# KiCad board Stream.kicad_pcb (continued)
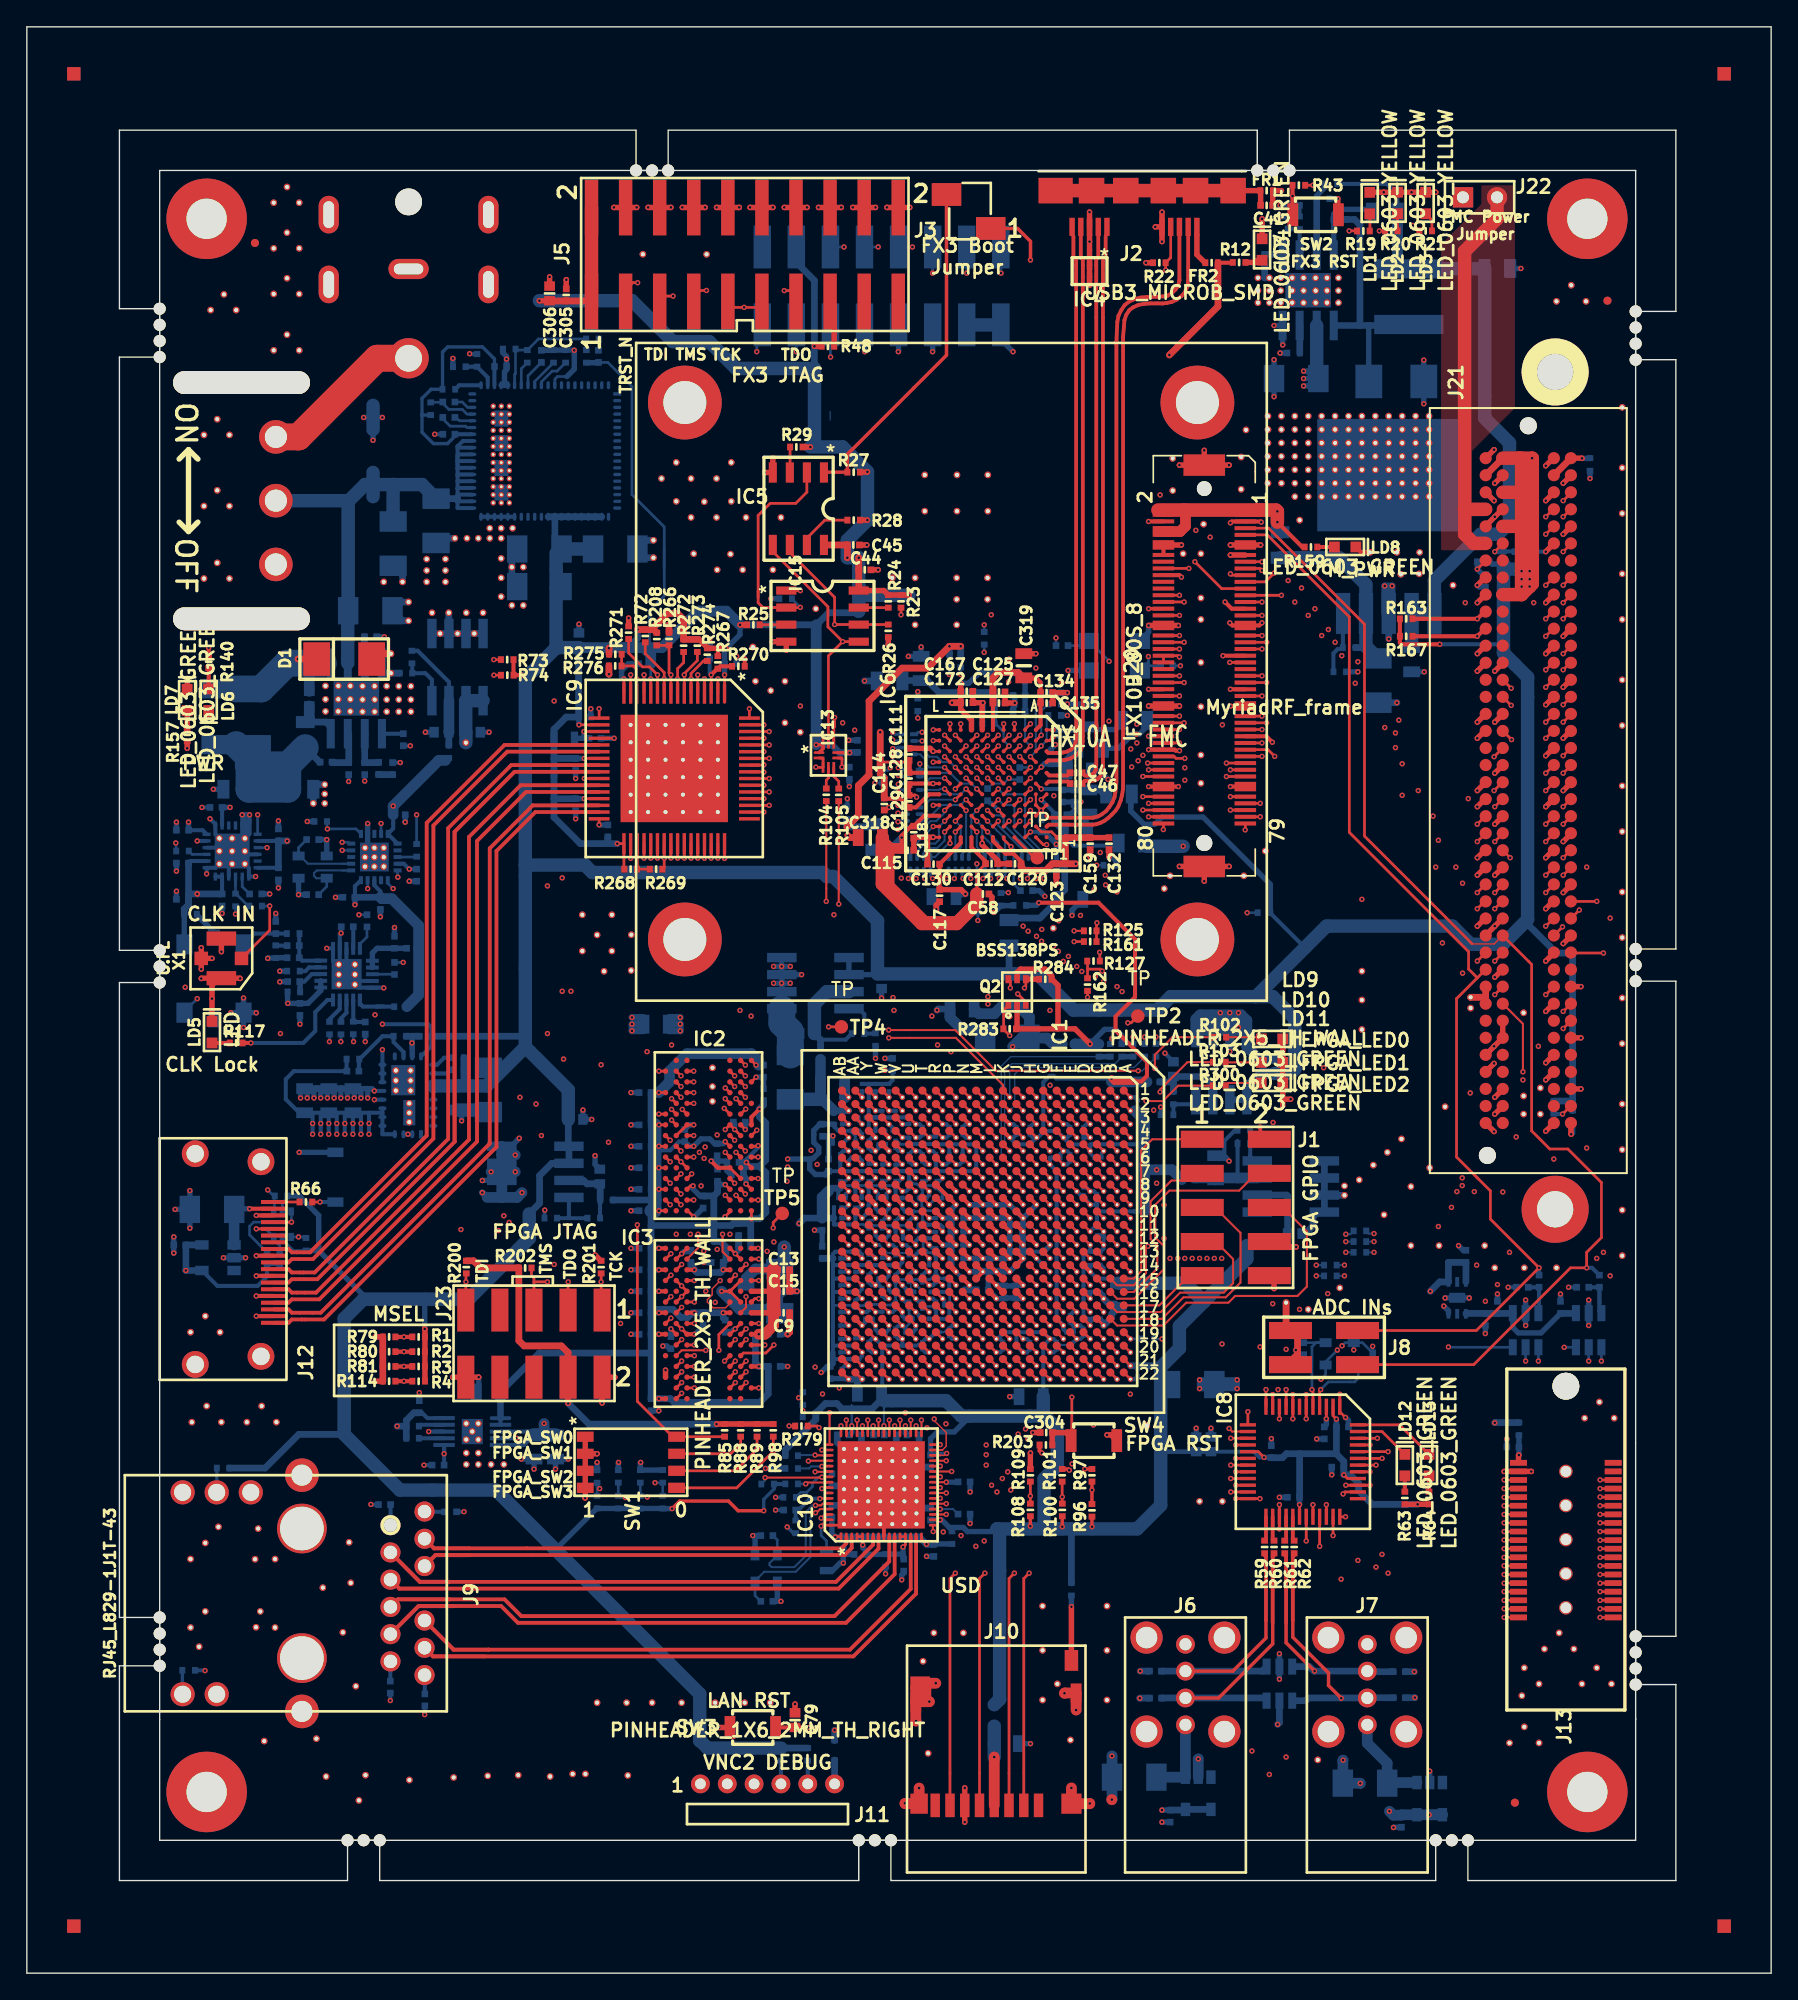
[diagram p0: board, top side]
## Footprints (pads in the part's own frame, mm; a bottom-side part is the same pattern mirrored in y, then rotated) (continued)
  round 0.4 hole 0.2: A1(-10,11) A2(-9,11) A3(-8,11) A4(-7,11) A5(-6,11) A6(-5,11) A7(-4,11) A8(-3,11) A9(-2,11) A10(-1,11) A11(0,11) A12(1,11) A13(2,11) A14(3,11) A19(8,11) A20(9,11) A21(10,11) A22(11,11) AA1(-10,-9) AA2(-9,-9) AA3(-8,-9) AA4(-7,-9) AA5(-6,-9) AA6(-5,-9) AA7(-4,-9) AA8(-3,-9) AA9(-2,-9) AA10(-1,-9) AA11(0,-9) AA12(1,-9) AA13(2,-9) AA14(3,-9) AA15(4,-9) AA16(5,-9) AA17(6,-9) AA18(7,-9) AA19(8,-9) AA20(9,-9) AA21(10,-9) AA22(11,-9) AB1(-10,-10) AB2(-9,-10) AB3(-8,-10) AB4(-7,-10) AB5(-6,-10) AB6(-5,-10) AB7(-4,-10) AB8(-3,-10) AB9(-2,-10) AB10(-1,-10) AB11(0,-10) AB12(1,-10) AB13(2,-10) AB14(3,-10) AB15(4,-10) AB16(5,-10) AB17(6,-10) AB18(7,-10) AB19(8,-10) AB20(9,-10) AB21(10,-10) AB22(11,-10) B1(-10,10) B2(-9,10) B3(-8,10) B4(-7,10) B5(-6,10) B6(-5,10) B7(-4,10) B8(-3,10) B9(-2,10) B10(-1,10) B11(0,10) B12(1,10) B13(2,10) B14(3,10) B19(8,10) B20(9,10) B21(10,10) B22(11,10) C1(-10,9) C2(-9,9) C3(-8,9) C4(-7,9) C5(-6,9) C6(-5,9) C7(-4,9) C8(-3,9) C9(-2,9) C10(-1,9) C11(0,9) C12(1,9) C13(2,9) C14(3,9) C15(4,9) C16(5,9) C17(6,9) C18(7,9) C19(8,9) C20(9,9) C21(10,9) C22(11,9) D1(-10,8) D2(-9,8) D3(-8,8) D4(-7,8) D5(-6,8) D6(-5,8) D7(-4,8) D8(-3,8) D9(-2,8) D10(-1,8) D11(0,8) D12(1,8) D13(2,8) D14(3,8) D15(4,8) D16(5,8) D17(6,8) D18(7,8) D19(8,8) D20(9,8) D21(10,8) D22(11,8) E1(-10,7) E2(-9,7) E3(-8,7) E4(-7,7) E5(-6,7) E6(-5,7) E7(-4,7) E8(-3,7) E9(-2,7) E10(-1,7) E11(0,7) E12(1,7) E13(2,7) E14(3,7) E15(4,7) E16(5,7) E17(6,7) E18(7,7) E19(8,7) E20(9,7) E21(10,7) E22(11,7) F1(-10,6) F2(-9,6) F3(-8,6) F4(-7,6) F5(-6,6) F6(-5,6) F7(-4,6) F8(-3,6) F9(-2,6) F10(-1,6) F11(0,6) F12(1,6) F13(2,6) F14(3,6) F15(4,6) F16(5,6) F17(6,6) F18(7,6) F19(8,6) F20(9,6) F21(10,6) F22(11,6) G1(-10,5) G2(-9,5) G3(-8,5) G4(-7,5) G5(-6,5) G6(-5,5) G7(-4,5) G8(-3,5) G9(-2,5) G10(-1,5) G11(0,5) G12(1,5) G13(2,5) G14(3,5) G15(4,5) G16(5,5) G17(6,5) G18(7,5) G19(8,5) G20(9,5) G21(10,5) G22(11,5) H1(-10,4) H2(-9,4) H3(-8,4) H4(-7,4) H5(-6,4) H6(-5,4) H7(-4,4) H8(-3,4) H9(-2,4) H10(-1,4) H11(0,4) H12(1,4) H13(2,4) H14(3,4) H15(4,4) H16(5,4) H17(6,4) H18(7,4) H19(8,4) H20(9,4) H21(10,4) H22(11,4) J1(-10,3) J2(-9,3) J3(-8,3) J4(-7,3) J5(-6,3) J6(-5,3) J7(-4,3) J8(-3,3) J9(-2,3) J10(-1,3) J11(0,3) J12(1,3) J13(2,3) J15(4,3) J16(5,3) J17(6,3) J18(7,3) J19(8,3) J20(9,3) J21(10,3) J22(11,3) K1(-10,2) K2(-9,2) K3(-8,2) K4(-7,2) K5(-6,2) K6(-5,2) K7(-4,2) K8(-3,2) K9(-2,2) K10(-1,2) K11(0,2) K12(1,2) K13(2,2) K14(3,2) K17(6,2) K18(7,2) K19(8,2) K20(9,2) K21(10,2) K22(11,2) L1(-10,1) L2(-9,1) L3(-8,1) L4(-7,1) L5(-6,1) L6(-5,1) L7(-4,1) L8(-3,1) L9(-2,1) L10(-1,1) L11(0,1) L12(1,1) L13(2,1) L14(3,1) L15(4,1) L16(5,1) L17(6,1) L18(7,1) L19(8,1) L20(9,1) L21(10,1) L22(11,1) M1(-10,0) M2(-9,0) M3(-8,0) M4(-7,0) M5(-6,0) M6(-5,0) M7(-4,0) M8(-3,0) M9(-2,0) M10(-1,0) M11(0,0) M12(1,0) M13(2,0) M14(3,0) M16(5,0) M17(6,0) M18(7,0) M19(8,0) M20(9,0) M21(10,0) M22(11,0) N1(-10,-1) N2(-9,-1) N3(-8,-1) N4(-7,-1) N5(-6,-1) N6(-5,-1) N7(-4,-1) N8(-3,-1) N9(-2,-1) N10(-1,-1) N11(0,-1) N12(1,-1) N13(2,-1) N14(3,-1) N15(4,-1) N16(5,-1) N17(6,-1) N18(7,-1) N19(8,-1) N20(9,-1) N21(10,-1) N22(11,-1) P1(-10,-2) P2(-9,-2) P3(-8,-2) P4(-7,-2) P5(-6,-2) P6(-5,-2) P7(-4,-2) P8(-3,-2) P9(-2,-2) P10(-1,-2) P11(0,-2) P12(1,-2) P13(2,-2) P14(3,-2) P15(4,-2) P16(5,-2) P17(6,-2) P18(7,-2) P19(8,-2) P20(9,-2) P21(10,-2) P22(11,-2) R1(-10,-3) R2(-9,-3) R3(-8,-3) R4(-7,-3) R5(-6,-3) R6(-5,-3) R7(-4,-3) R9(-2,-3) R10(-1,-3) R11(0,-3) R12(1,-3) R13(2,-3) R14(3,-3) R15(4,-3) R16(5,-3) R17(6,-3) R18(7,-3) R19(8,-3) R20(9,-3) R21(10,-3) R22(11,-3) T1(-10,-4) T2(-9,-4) T3(-8,-4) T4(-7,-4) T5(-6,-4) T6(-5,-4) T7(-4,-4) T8(-3,-4) T9(-2,-4) T10(-1,-4) T11(0,-4) T12(1,-4) T13(2,-4) T14(3,-4) T15(4,-4) T16(5,-4) T17(6,-4) T18(7,-4) T19(8,-4) T20(9,-4) T21(10,-4) T22(11,-4) U1(-10,-5) U2(-9,-5) U3(-8,-5) U4(-7,-5) U5(-6,-5) U6(-5,-5) U7(-4,-5) U8(-3,-5) U9(-2,-5) U10(-1,-5) U11(0,-5) U12(1,-5) U13(2,-5) U14(3,-5) U15(4,-5) U16(5,-5) U17(6,-5) U18(7,-5) U19(8,-5) U20(9,-5) U21(10,-5) U22(11,-5) V1(-10,-6) V2(-9,-6) V3(-8,-6) V4(-7,-6) V5(-6,-6) V6(-5,-6) V7(-4,-6) V8(-3,-6) V9(-2,-6) V10(-1,-6) V11(0,-6) V12(1,-6) V13(2,-6) V14(3,-6) V15(4,-6) V16(5,-6) V17(6,-6) V18(7,-6) V19(8,-6) V20(9,-6) V21(10,-6) V22(11,-6) W1(-10,-7) W2(-9,-7) W3(-8,-7) W4(-7,-7) W5(-6,-7) W6(-5,-7) W7(-4,-7) W8(-3,-7) W9(-2,-7) W10(-1,-7) W11(0,-7) W12(1,-7) W13(2,-7) W14(3,-7) W15(4,-7) W16(5,-7) W17(6,-7) W18(7,-7) W19(8,-7) W20(9,-7) W21(10,-7) W22(11,-7) Y1(-10,-8) Y2(-9,-8) Y3(-8,-8) Y4(-7,-8) Y5(-6,-8) Y6(-5,-8) Y7(-4,-8) Y8(-3,-8) Y9(-2,-8) Y10(-1,-8) Y11(0,-8) Y12(1,-8) Y13(2,-8) Y14(3,-8) Y15(4,-8) Y16(5,-8) Y17(6,-8) Y18(7,-8) Y19(8,-8) Y20(9,-8) Y21(10,-8) Y22(11,-8)
FBGA_121_Ball_10x10
  round 0.3 smd: A1(-4,4) A2(-3.2,4) A3(-2.4,4) A4(-1.6,4) A5(-0.8,4) A6(0,4) A7(0.8,4) A8(1.6,4) A9(2.4,4) A10(3.2,4) A11(4,4) B1(-4,3.2) B2(-3.2,3.2) B3(-2.4,3.2) B4(-1.6,3.2) B5(-0.8,3.2) B6(0,3.2) B7(0.8,3.2) B8(1.6,3.2) B9(2.4,3.2) B10(3.2,3.2) B11(4,3.2) C1(-4,2.4) C2(-3.2,2.4) C3(-2.4,2.4) C4(-1.6,2.4) C5(-0.8,2.4) C6(0,2.4) C7(0.8,2.4) C8(1.6,2.4) C9(2.4,2.4) C10(3.2,2.4) C11(4,2.4) D1(-4,1.6) D2(-3.2,1.6) D3(-2.4,1.6) D4(-1.6,1.6) D5(-0.8,1.6) D6(0,1.6) D7(0.8,1.6) D8(1.6,1.6) D9(2.4,1.6) D10(3.2,1.6) D11(4,1.6) E1(-4,0.8) E2(-3.2,0.8) E3(-2.4,0.8) E4(-1.6,0.8) E5(-0.8,0.8) E6(0,0.8) E7(0.8,0.8) E8(1.6,0.8) E9(2.4,0.8) E10(3.2,0.8) E11(4,0.8) F1(-4,0) F2(-3.2,0) F3(-2.4,0) F4(-1.6,0) F5(-0.8,0) F6(0,0) F7(0.8,0) F8(1.6,0) F9(2.4,0) F10(3.2,0) F11(4,0) G1(-4,-0.8) G2(-3.2,-0.8) G3(-2.4,-0.8) G4(-1.6,-0.8) G5(-0.8,-0.8) G6(0,-0.8) G7(0.8,-0.8) G8(1.6,-0.8) G9(2.4,-0.8) G10(3.2,-0.8) G11(4,-0.8) H1(-4,-1.6) H2(-3.2,-1.6) H3(-2.4,-1.6) H4(-1.6,-1.6) H5(-0.8,-1.6) H6(0,-1.6) H7(0.8,-1.6) H8(1.6,-1.6) H9(2.4,-1.6) H10(3.2,-1.6) H11(4,-1.6) J1(-4,-2.4) J2(-3.2,-2.4) J3(-2.4,-2.4) J4(-1.6,-2.4) J5(-0.8,-2.4) J6(0,-2.4) J7(0.8,-2.4) J8(1.6,-2.4) J9(2.4,-2.4) J10(3.2,-2.4) J11(4,-2.4) K1(-4,-3.2) K2(-3.2,-3.2) K3(-2.4,-3.2) K4(-1.6,-3.2) K5(-0.8,-3.2) K6(0,-3.2) K7(0.8,-3.2) K8(1.6,-3.2) K9(2.4,-3.2) K10(3.2,-3.2) K11(4,-3.2) L1(-4,-4) L2(-3.2,-4) L3(-2.4,-4) L4(-1.6,-4) L5(-0.8,-4) L6(0,-4) L7(0.8,-4) L8(1.6,-4) L9(2.4,-4) L10(3.2,-4) L11(4,-4)
Fiducial
  round 0.6 smd: 1(0,0)
FMC_Socket
  round 1.27 hole 1.27 unplated: (-27.18,0) (27.18,-3.05)
  round 0.9 smd: C1(24.765,-3.175) C2(23.495,-3.175) C3(22.225,-3.175) C4(20.955,-3.175) C5(19.685,-3.175) C6(18.415,-3.175) C7(17.145,-3.175) C8(15.875,-3.175) C9(14.605,-3.175) C10(13.335,-3.175) C11(12.065,-3.175) C12(10.795,-3.175) C13(9.525,-3.175) C14(8.255,-3.175) C15(6.985,-3.175) C16(5.715,-3.175) C17(4.445,-3.175) C18(3.175,-3.175) C19(1.905,-3.175) C20(0.635,-3.175) C21(-0.635,-3.175) C22(-1.905,-3.175) C23(-3.175,-3.175) C24(-4.445,-3.175) C25(-5.715,-3.175) C26(-6.985,-3.175) C27(-8.255,-3.175) C28(-9.525,-3.175) C29(-10.795,-3.175) C30(-12.065,-3.175) C31(-13.335,-3.175) C32(-14.605,-3.175) C33(-15.875,-3.175) C34(-17.145,-3.175) C35(-18.415,-3.175) C36(-19.685,-3.175) C37(-20.955,-3.175) C38(-22.225,-3.175) C39(-23.495,-3.175) C40(-24.765,-3.175) D1(24.765,-1.905) D2(23.495,-1.905) D3(22.225,-1.905) D4(20.955,-1.905) D5(19.685,-1.905) D6(18.415,-1.905) D7(17.145,-1.905) D8(15.875,-1.905) D9(14.605,-1.905) D10(13.335,-1.905) D11(12.065,-1.905) D12(10.795,-1.905) D13(9.525,-1.905) D14(8.255,-1.905) D15(6.985,-1.905) D16(5.715,-1.905) D17(4.445,-1.905) D18(3.175,-1.905) D19(1.905,-1.905) D20(0.635,-1.905) D21(-0.625,-1.905) D22(-1.905,-1.905) D23(-3.175,-1.905) D24(-4.445,-1.905) D25(-5.715,-1.905) D26(-6.985,-1.905) D27(-8.255,-1.905) D28(-9.525,-1.905) D29(-10.795,-1.905) D30(-12.065,-1.905) D31(-13.335,-1.905) D32(-14.605,-1.905) D33(-15.875,-1.905) D34(-17.145,-1.905) D35(-18.415,-1.905) D36(-19.685,-1.905) D37(-20.955,-1.905) D38(-22.225,-1.905) D39(-23.495,-1.905) D40(-24.765,-1.905) G1(24.765,1.905) G2(23.495,1.905) G3(22.225,1.905) G4(20.955,1.905) G5(19.685,1.905) G6(18.415,1.905) G7(17.145,1.905) G8(15.875,1.905) G9(14.605,1.905) G10(13.335,1.905) G11(12.065,1.905) G12(10.795,1.905) G13(9.525,1.905) G14(8.255,1.905) G15(6.985,1.905) G16(5.715,1.905) G17(4.445,1.905) G18(3.175,1.905) G19(1.905,1.905) G20(0.635,1.905) G21(-0.635,1.905) G22(-1.905,1.905) G23(-3.175,1.905) G24(-4.445,1.905) G25(-5.715,1.905) G26(-6.985,1.905) G27(-8.255,1.905) G28(-9.525,1.905) G29(-10.795,1.905) G30(-12.065,1.905) G31(-13.335,1.905) G32(-14.605,1.905) G33(-15.875,1.905) G34(-17.145,1.905) G35(-18.415,1.905) G36(-19.685,1.905) G37(-20.955,1.905) G38(-22.225,1.905) G39(-23.495,1.905) G40(-24.765,1.905) H1(24.765,3.175) H2(23.495,3.175) H3(22.225,3.175) H4(20.955,3.175) H5(19.685,3.175) H6(18.415,3.175) H7(17.145,3.175) H8(15.875,3.175) H9(14.605,3.175) H10(13.335,3.175) H11(12.065,3.175) H12(10.795,3.175) H13(9.525,3.175) H14(8.255,3.175) H15(6.985,3.175) H16(5.715,3.175) H17(4.445,3.175) H18(3.175,3.175) H19(1.905,3.175) H20(0.635,3.175) H21(-0.625,3.175) H22(-1.905,3.175) H23(-3.175,3.175) H24(-4.445,3.175) H25(-5.715,3.175) H26(-6.985,3.175) H27(-8.255,3.175) H28(-9.525,3.175) H29(-10.795,3.175) H30(-12.065,3.175) H31(-13.335,3.175) H32(-14.605,3.175) H33(-15.875,3.175) H34(-17.145,3.175) H35(-18.415,3.175) H36(-19.685,3.175) H37(-20.955,3.175) H38(-22.225,3.175) H39(-23.495,3.175) H40(-24.765,3.175)
  round 5 hole 2.7: gnd(-31.19,2) gnd(31.19,2)
FX10B_80S_8
  round 1.1 hole 1.1 unplated: (-13.2,0)
  round 1.2 hole 1.2 unplated: (13.2,0)
  rect 0.3x1.6 smd: 1(-11.75,3.061) 2(-11.755,-3.04) 3(-11.25,3.061) 4(-11.255,-3.04) 5(-10.749,3.061) 6(-10.754,-3.04) 7(-10.249,3.061) 8(-10.254,-3.04) 9(-9.751,3.061) 10(-9.756,-3.04) 11(-8.25,3.061) 12(-8.255,-3.04) 13(-7.75,3.061) 14(-7.755,-3.04) 15(-7.249,3.061) 16(-7.254,-3.04) 17(-6.749,3.061) 18(-6.754,-3.04) 19(-6.251,3.061) 20(-6.256,-3.04) 21(-5.751,3.061) 22(-5.756,-3.04) 23(-5.25,3.061) 24(-5.255,-3.04) 25(-4.75,3.061) 26(-4.755,-3.04) 27(-4.249,3.061) 28(-4.255,-3.04) 29(-3.749,3.061) 30(-3.754,-3.04) 31(-2.25,3.061) 32(-2.253,-3.04) 33(-1.75,3.061) 34(-1.753,-3.04) 35(-1.25,3.061) 36(-1.252,-3.04) 37(-0.749,3.061) 38(-0.752,-3.04) 39(-0.249,3.061) 40(-0.254,-3.04) 41(0.249,3.061) 42(0.246,-3.04) 43(0.749,3.061) 44(0.747,-3.04) 45(1.25,3.061) 46(1.247,-3.04) 47(1.75,3.061) 48(1.748,-3.04) 49(2.25,3.061) 50(2.248,-3.04) 51(3.749,3.061) 52(3.749,-3.04) 53(4.249,3.061) 54(4.249,-3.04) 55(4.75,3.061) 56(4.75,-3.04) 57(5.25,3.061) 58(5.25,-3.04) 59(5.751,3.061) 60(5.748,-3.04) 61(6.251,3.061) 62(6.248,-3.04) 63(6.749,3.061) 64(6.749,-3.04) 65(7.249,3.061) 66(7.249,-3.04) 67(7.75,3.061) 68(7.75,-3.04) 69(8.25,3.061) 70(8.25,-3.04) 71(9.751,3.061) 72(9.751,-3.04) 73(10.249,3.061) 74(10.249,-3.04) 75(10.749,3.061) 76(10.749,-3.04) 77(11.25,3.061) 78(11.25,-3.04) 79(11.75,3.061) 80(11.75,-3.04)
  rect 0.701x1.6 smd: 81(-9.002,3.061) 82(-9.007,-3.04) 83(-3.002,3.061) 84(-3.005,-3.04) 85(3,3.061) 86(2.997,-3.04) 87(8.999,3.061) 88(8.999,-3.04)
  rect 1.6x3.099 smd: 89(14.95,0) 90(-14.95,0)
GND_VIA
  round 0.5 hole 0.3: 1(0,0)
HDMI_SMD
  round 2 hole 1.3: 0(-7.85,-5.85) 0(-7.25,-0.95) 0(7.25,-0.95) 0(7.85,-5.85)
  rect 0.3x1.9 smd: 1(4.75,0) 2(4.25,0) 3(3.75,0) 4(3.25,0) 5(2.75,0) 6(2.25,0) 7(1.75,0) 8(1.25,0) 9(0.75,0) 10(0.25,0) 11(-0.25,0) 12(-0.75,0) 13(-1.25,0) 14(-1.75,0) 15(-2.25,0) 16(-2.75,0) 17(-3.25,0) 18(-3.75,0) 19(-4.25,0)
Jack_Socket_TH
  round 2 hole 2 unplated: (6.3,0)
  round 3 hole 2: 1(17.95,0)
  oval 2.8x1.5 hole 2x0.8: 2(7.25,-5.95) 2(7.25,5.95) 2(12.45,-5.95) 2(12.45,5.95)
  oval 1.5x3 hole 0.8x2.2: 3(11.3,0)
L_SM0603
  rect 0.5x0.9 smd: 1(-0.8,0) 2(0.8,0)
LED_0603
  rect 0.798x0.798 smd: 1(-0.8,0) 2(0.8,0)
LFCSP 20
  rect 0.95x0.3 smd: 1(-1.93,1.008) 2(-1.93,0.508) 3(-1.93,0.008) 4(-1.93,-0.493) 5(-1.93,-0.991) 11(1.92,-0.991) 12(1.92,-0.493) 13(1.92,0.008) 14(1.92,0.508) 15(1.92,1.008)
  rect 0.3x0.95 smd: 6(-1.001,-1.923) 7(-0.5,-1.923) 8(0,-1.923) 9(0.5,-1.923) 10(0.998,-1.923) 16(0.988,1.928) 17(0.49,1.928) 18(-0.01,1.928) 19(-0.511,1.928) 20(-1.011,1.928)
  rect 2.25x2.25 smd: 21(0,0)
MicroSD
  rect 0.8x1.5 smd: 0(-1.45,7.725)
  rect 1.3x1.5 smd: 0(-1.2,0.125)
  rect 1.45x1 smd: 0(-1.125,9.1)
  rect 1.5x1.5 smd: 0(10.15,0.125)
  rect 0.8x1.4 smd: 0(10.5,8.375)
  rect 0.7x1.75 smd: 1(7.7,0) 2(6.6,0) 3(5.5,0) 4(4.4,0) 5(3.3,0) 6(2.2,0) 7(1.1,0) 8(0,0)
  rect 1x1.55 smd: 9(10.15,10.8)
MountingHole6.3
  round 6 hole 3: 1(0.1,-0.2)
MountingHole6.3#2
  round 6 hole 3: 1(0,0)
MountingHole6.3#3
  round 6 hole 3: 1(0,-0.1)
MountingHole6.3#4
  round 6 hole 3: 1(0.1,0)
MSOP10
  oval 1.6x0.3 smd: 1(-2.1,1)
  rect 1.6x0.3 smd: 2(-2.1,0.5) 3(-2.1,0) 4(-2.1,-0.5) 5(-2.1,-1) 6(2.1,-1) 7(2.1,-0.5) 8(2.1,0) 9(2.1,0.5) 10(2.1,1)
  round 0.5 hole 0.3: 11(-0.45,-0.6) 11(-0.45,0.6) 11(0,0) 11(0.45,-0.6) 11(0.45,0.6)
  rect 1.57x1.88 smd: 11(0,0)
MyriadRF_frame
  round 5.5 hole 3.2: 1(0,0) 2(38.2,0) 3(0,40) 4(38.2,40)
Pad
  rect 0.996x0.996 smd: 1(0,0)
  rect 0.996x0.996 smd far side: 1(0,0)
Pinhead_1x2_TH
  rect 1.516x1.516 hole 0.899: 1(-1.269,0.001)
  round 1.516 hole 0.899: 2(1.271,0.001)
Pinhead_1x6_2mm_TH_right
  round 1.4 hole 0.8: 1(-5,0) 2(-3,0) 3(-1,0) 4(1,0) 5(3,0) 6(5,0)
Pinhead_2x10_SMD_wall
  rect 4.15x1 smd: 1(-3.5,11.425) 2(3.5,11.425) 3(-3.5,8.885) 4(3.5,8.885) 5(-3.5,6.345) 6(3.5,6.345) 7(-3.5,3.805) 8(3.5,3.805) 9(-3.5,1.265) 10(3.5,1.265) 11(-3.5,-1.275) 12(3.5,-1.275) 13(-3.5,-3.815) 14(3.5,-3.815) 15(-3.5,-6.355) 16(3.5,-6.355) 17(-3.5,-8.895) 18(3.5,-8.895) 19(-3.5,-11.435) 20(3.5,-11.435)
PINHEADER_1x2_SMD
  rect 2.2x1.7 smd: 1(0,-0.01) 2(3.3,-2.54)
PINHEADER_2X2
  rect 3.2x1.27 smd: 1(-2.525,1.275) 2(2.476,1.275) 3(-2.525,-1.265) 4(2.476,-1.265)
PINHEADER_2X5
  rect 3.2x1.27 smd: 1(-2.5,5.075) 2(2.501,5.075) 3(-2.5,2.535) 4(2.501,2.535) 5(-2.5,-0.005) 6(2.501,-0.005) 7(-2.5,-2.545) 8(2.501,-2.545) 9(-2.5,-5.085) 10(2.501,-5.085)
PINHEADER_2X8_SMD_RA
  rect 3.2x1.3 smd: 1(-2.9,8.89) 2(2.9,8.89) 3(-2.9,6.35) 4(2.9,6.35) 5(-2.9,3.81) 6(2.9,3.81) 7(-2.9,1.27) 8(2.9,1.27) 9(-2.9,-1.27) 10(2.9,-1.27) 11(-2.9,-3.81) 12(2.9,-3.81) 13(-2.9,-6.35) 14(2.9,-6.35) 15(-2.9,-8.89) 16(2.9,-8.89)
QFN20
  rect 0.6x0.3 smd: 1(-1.725,1) 2(-1.725,0.5) 3(-1.725,0) 4(-1.725,-0.5) 5(-1.725,-1) 11(1.725,-1) 12(1.725,-0.5) 13(1.725,0) 14(1.725,0.5) 15(1.725,1) 21(-0.5,-0.75) 21(-0.5,-0.25) 21(-0.5,0.25) 21(-0.5,0.75) 21(0.5,-0.75) 21(0.5,-0.25) 21(0.5,0.25) 21(0.5,0.75)
  rect 0.3x0.6 smd: 6(-1,-1.725) 7(-0.5,-1.725) 8(0,-1.725) 9(0.5,-1.725) 10(1,-1.725) 16(1,1.725) 17(0.5,1.725) 18(0,1.725) 19(-0.5,1.725) 20(-1,1.725)
  rect 2.15x2.15 smd: 21(0,0)
QFN24_Altera
  rect 0.6x0.3 smd: 1(-2.9,0.975)
  oval 0.6x0.3 smd: 2(-2.9,0.325) 3(-2.9,-0.325) 4(-2.9,-0.975) 13(2.9,-0.975) 14(2.9,-0.325) 15(2.9,0.325) 16(2.9,0.975)
  oval 0.3x0.6 smd: 5(-2.275,-1.9) 6(-1.625,-1.9) 7(-0.975,-1.9) 8(-0.325,-1.9) 9(0.325,-1.9) 10(0.975,-1.9) 11(1.625,-1.9) 12(2.275,-1.9) 17(2.275,1.9) 18(1.625,1.9) 19(0.975,1.9) 20(0.325,1.9) 21(-0.325,1.9) 22(-0.975,1.9) 23(-1.625,1.9) 24(-2.275,1.9)
  rect 1.9x0.9 smd: 25(-1.3,0.1)
  rect 2.25x1.8 smd: 26(1.125,-0.35)
QFN64
  rect 0.6x0.2 smd: 1(-3.85,3)
  oval 0.6x0.2 smd: 2(-3.85,2.6) 3(-3.85,2.2) 4(-3.85,1.8) 5(-3.85,1.4) 6(-3.85,1) 7(-3.85,0.6) 8(-3.85,0.2) 9(-3.85,-0.2) 10(-3.85,-0.6) 11(-3.85,-1) 12(-3.85,-1.4) 13(-3.85,-1.8) 14(-3.85,-2.2) 15(-3.85,-2.6) 16(-3.85,-3) 33(3.85,-3) 34(3.85,-2.6) 35(3.85,-2.2) 36(3.85,-1.8) 37(3.85,-1.4) 38(3.85,-1) 39(3.85,-0.6) 40(3.85,-0.2) 41(3.85,0.2) 42(3.85,0.6) 43(3.85,1) 44(3.85,1.4) 45(3.85,1.8) 46(3.85,2.2) 47(3.85,2.59) 48(3.85,3)
  oval 0.2x0.6 smd: 17(-3,-3.85) 18(-2.6,-3.85) 19(-2.2,-3.85) 20(-1.8,-3.85) 21(-1.4,-3.85) 22(-1,-3.85) 23(-0.6,-3.85) 24(-0.2,-3.85) 25(0.2,-3.85) 26(0.6,-3.85) 27(1,-3.85) 28(1.4,-3.85) 29(1.8,-3.85) 30(2.2,-3.85) 31(2.6,-3.85) 32(3,-3.85) 49(3,3.85) 50(2.6,3.85) 51(2.2,3.85) 52(1.8,3.85) 53(1.4,3.85) 54(1,3.85) 55(0.6,3.85) 56(0.2,3.85) 57(-0.2,3.85) 58(-0.6,3.85) 59(-1,3.85) 60(-1.4,3.85) 61(-1.8,3.85) 62(-2.2,3.85) 63(-2.6,3.85) 64(-3,3.85)
  rect 2x2 smd: GPAD(-1.6,1.6) GPAD(-1.6,-1.6) GPAD(1.6,1.6) GPAD(1.6,-1.6)
  rect 6.5x6.5 smd: GPAD(0,0.003)
QFN76_Altera
  round 0.4 hole 0.2: 0(2.64,-3.86) 0(2.64,-3.26) 0(2.64,-2.66) 0(2.64,-2.06) 0(2.64,-1.46) 0(2.64,-0.86) 0(2.64,-0.26) 0(2.64,0.34) 0(2.64,0.94) 0(2.64,1.54) 0(2.64,2.14) 0(2.64,2.74) 0(2.64,3.34) 0(3.24,-3.86) 0(3.24,-3.26) 0(3.24,-2.66) 0(3.24,-2.06) 0(3.24,-1.46) 0(3.24,-0.86) 0(3.24,-0.26) 0(3.24,0.34) 0(3.24,0.94) 0(3.24,1.54) 0(3.24,2.14) 0(3.24,2.74) 0(3.24,3.34) 0(3.84,-3.86) 0(3.84,-3.26) 0(3.84,-2.66) 0(3.84,-2.06) 0(3.84,-1.46) 0(3.84,-0.86) 0(3.84,-0.26) 0(3.84,0.34) 0(3.84,0.94) 0(3.84,1.54) 0(3.84,2.14) 0(3.84,2.74) 0(3.84,3.34)
  rect 1.05x1.2 smd: 0(3.23,-3.1) 0(3.23,-1.26) 0(3.23,0.58) 0(3.23,2.42)
  rect 0.6x0.25 smd: 1(-5.4,4.25)
  oval 0.6x0.25 smd: 2(-5.4,3.75) 3(-5.4,3.25) 4(-5.4,2.75) 5(-5.4,2.25) 6(-5.4,1.75) 7(-5.4,1.25) 8(-5.4,0.75) 9(-5.4,0.25) 10(-5.4,-0.25) 11(-5.4,-0.75) 12(-5.4,-1.25) 13(-5.4,-1.75) 14(-5.4,-2.25) 15(-5.4,-2.75) 16(-5.4,-3.25) 17(-5.4,-3.75) 18(-5.4,-4.25) 39(5.4,-4.25) 40(5.4,-3.75) 41(5.4,-3.25) 42(5.4,-2.75) 43(5.4,-2.25) 44(5.4,-1.75) 45(5.4,-1.25) 46(5.4,-0.75) 47(5.4,-0.25) 48(5.4,0.25) 49(5.4,0.75) 50(5.4,1.25) 51(5.4,1.75) 52(5.4,2.25) 53(5.4,2.75) 54(5.4,3.25) 55(5.4,3.75) 56(5.4,4.25)
  oval 0.25x0.6 smd: 19(-4.75,-4.9) 20(-4.25,-4.9) 21(-3.75,-4.9) 22(-3.25,-4.9) 23(-2.75,-4.9) 24(-2.25,-4.9) 25(-1.75,-4.9) 26(-1.25,-4.9) 27(-0.75,-4.9) 28(-0.25,-4.9) 29(0.25,-4.9) 30(0.75,-4.9) 31(1.25,-4.9) 32(1.75,-4.9) 33(2.25,-4.9) 34(2.75,-4.9) 35(3.25,-4.9) 36(3.75,-4.9) 37(4.25,-4.9) 38(4.75,-4.9) 57(4.75,4.9) 58(4.25,4.9) 59(3.75,4.9) 60(3.25,4.9) 61(2.75,4.9) 62(2.25,4.9) 63(1.75,4.9) 64(1.25,4.9) 65(0.75,4.9) 66(0.25,4.9) 67(-0.25,4.9) 68(-0.75,4.9) 69(-1.25,4.9) 70(-1.75,4.9) 71(-2.25,4.9) 72(-2.75,4.9) 73(-3.25,4.9) 74(-3.75,4.9) 75(-4.25,4.9) 76(-4.75,4.9)
R_SM0402
  rect 0.445x0.495 smd: 1(-0.47,0) 2(0.47,0)
R_SM0603
  rect 0.551x1.001 smd: 1(-0.762,0) 2(0.762,0)
R_SM0805
  rect 0.899x1.4 smd: 1(-0.953,0) 2(0.953,0)
Rarray0804
  rect 0.297x0.597 smd: 1(-0.749,-0.5)
  oval 0.297x0.597 smd: 2(-0.249,-0.5) 3(0.249,-0.5) 4(0.749,-0.5) 5(0.749,0.5) 6(0.249,0.5) 7(-0.249,0.5) 8(-0.749,0.5)
RJ45_L829-1J1T-43
  round 1.5 hole 1: 1(-5.075,-6.6) 2(-3.045,-6.6) 3(-1.015,-6.6) 4(1.015,-6.6) 5(3.045,-6.6) 6(5.075,-6.6) 7(-6.09,-9.14) 8(-4.06,-9.14) 9(-2.03,-9.14) 10(2.03,-9.14) 11(4.06,-9.14) 12(6.09,-9.14)
  round 1.8 hole 1.27: 13(-7.52,6.35) 14(-7.52,8.89) 15(7.52,3.81) 16(7.52,6.35) 17(7.52,8.89)
  round 2.5 hole 1.57: gnd(-8.8,0) gnd(8.8,0)
  round 3.7 hole 3.25: gnd(-4.825,0) gnd(4.825,0)
SC70
  rect 0.719x0.29 smd: 1(-1.175,0.65) 2(-1.175,0) 3(-1.175,-0.65) 4(1.195,-0.65) 5(1.195,0) 6(1.195,0.65)
  rect 0.749x1.199 smd: 7(0.011,0)
SM0201
  rect 0.3x0.35 smd: 1(-0.275,0) 2(0.275,0)
SM0402
  rect 0.495x0.495 smd: 1(-0.45,0) 2(0.45,0)
SM0805
  rect 0.899x1.4 smd: 1(-0.953,0) 2(0.953,0)
SM1206
  rect 1.524x2.032 smd: 1(-1.651,0) 2(1.651,0)
SMB
  rect 2.499x1.999 smd: 1(0,2) 2(0,-2.1)
SMD0402
  rect 0.495x0.495 smd: 1(-0.45,0) 2(0.45,0)
SMD0603
  rect 0.699x0.798 smd: 1(-0.546,0) 2(0.546,0)
SMD0805
  rect 0.899x1.4 smd: 1(-0.953,0) 2(0.953,0)
SMD1206
  rect 1.524x2.032 smd: 1(-1.651,0) 2(1.651,0)
SMD_TXCO_Pluto+
  rect 1.501x1.199 smd: 1(2.54,2.2) 2(-2.54,2.2) 4(-2.54,-2.2) 5(2.54,-2.2)
  rect 1.2x0.9 smd: 3(-3.05,0) 6(3.05,0)
SOD-123
  rect 0.7x1.2 smd: 1(-1.85,0) 2(1.85,0)
SOD-523
  rect 0.4x0.5 smd: 1(-0.725,0) 2(0.725,0)
SOIC8
  rect 2.2x0.701 smd: 1(-2.5,1.9) 2(-2.5,0.63) 3(-2.5,-0.64) 4(-2.5,-1.91) 5(2.501,-1.91) 6(2.501,-0.64) 7(2.501,0.63) 8(2.501,1.9)
SOIC-8
  rect 0.599x1.5 smd: 1(-1.905,-2.7) 2(-0.635,-2.7) 3(0.635,-2.7) 4(1.905,-2.7) 5(1.905,2.7) 6(0.635,2.7) 7(-0.635,2.7) 8(-1.905,2.7)
SOIC-8#2
  rect 2.2x0.599 smd: 1(-2.65,1.9) 2(-2.65,0.63) 3(-2.65,-0.64) 4(-2.65,-1.91) 5(2.6,-1.91) 6(2.6,-0.64) 7(2.6,0.63) 8(2.6,1.9)
  rect 2.56x3.401 smd: 9(-0.026,-0.005)
SOT23-6
  rect 0.599x1.199 smd: 1(-0.953,-1.27) 2(0,-1.27) 3(0.953,-1.27) 4(0.953,1.27) 5(0,1.27) 6(-0.953,1.27)
SOT-23-6
  rect 0.599x1.199 smd: 1(-0.953,-1.27) 2(0,-1.27) 3(0.953,-1.27) 4(0.953,1.27) 5(0,1.27) 6(-0.953,1.27)
SOT-363
  rect 0.42x0.6 smd: 1(-0.65,-0.95) 2(0,-0.95) 3(0.65,-0.95) 4(0.65,0.95) 5(0,0.95) 6(-0.65,0.95)
SW_B3U-1000P
  rect 0.8x1.7 smd: 1(-1.7,0) 2(1.7,0)
SW_DIP_4poles
  rect 0.76x1.25 smd: 1(-1.905,-3.402) 2(-0.635,-3.402) 3(0.635,-3.402) 4(1.905,-3.402) 5(1.905,3.402) 6(0.635,3.402) 7(-0.635,3.402) 8(-1.905,3.402)
Switch_On_Off
  round 2.5 hole 1.65: 1(-4.75,2.54) 2(0,2.54) 3(4.75,2.54)
  oval 1.7x10.2 hole 1.7x10.2: 4(8.8,5.1) 5(-8.8,5.1)
TestPoint
  round 1 smd: 1(0,0)
TH-USB2_A
  round 1.4 hole 0.9: 1(0,3) 2(0,1) 3(0,-1) 4(0,-3)
  round 2.4 hole 1.6: 5(-2.9,3.5) 6(-2.9,-3.5) 7(2.9,-3.5) 8(2.9,3.5)
U.FL
  rect 1x1 smd: 1(0,-1.5) 2(0,1.5)
  rect 1.05x2.2 smd: 2(-1.475,0) 2(1.475,0)
uDFN-10
  rect 0.2x0.675 smd: 1(1,0.437) 2(0.5,0.437) 4(-0.5,0.437) 5(-1,0.437) 6(-1,-0.437) 7(-0.5,-0.437) 9(0.5,-0.437) 10(1,-0.437)
  rect 0.4x0.675 smd: 3(0,0.437) 8(0,-0.437)
USB3_microB_SMD
  rect 0.4x1.35 smd: 1(-1.3,2.7) 2(-0.65,2.7) 3(0,2.7) 4(0.65,2.7) 5(1.3,2.7) 6(5.4,2.7) 7(6.05,2.7) 8(6.7,2.7) 9(7.35,2.7) 10(8,2.7)
  rect 1.9x1.9 smd: 11(-4,0) 11(-1.2,0) 11(1.2,0) 11(4,0) 11(6.55,0)
  rect 2.55x1.9 smd: 11(9.225,0)
XAL60xx_series
  rect 5.179x1.43 smd: 1(0,2.075) 2(0,-2.075)
XO19.2MHz
  rect 1.5x1.2 smd: 1(-1.9,-1.1) 2(1.9,-1.1) 3(1.9,1.1) 4(-1.9,1.1)

## Nets
12V_FMC: J21.C35 J21.C37 J22.2
+5V_USB: C153.1 FR2.2 IC6.E11 R12.2
/FPGA banks 5_8/VIN_d0: IC1.N19 IC8.15
/FPGA banks 5_8/VIN_d1: IC1.N20 IC8.16
/FPGA banks 5_8/VIN_d2: IC1.P16 IC8.18
/FPGA banks 5_8/VIN_d3: IC1.P17 IC8.19
/FPGA banks 5_8/VIN_d4: IC1.M19 IC8.20
/FPGA banks 5_8/VIN_d5: IC1.M20 IC8.21
/FPGA banks 5_8/VIN_d6: IC1.M21 IC8.22
/FPGA banks 5_8/VIN_d7: IC1.M22 IC8.23
